# KiCad board middle.kicad_pcb (continued)
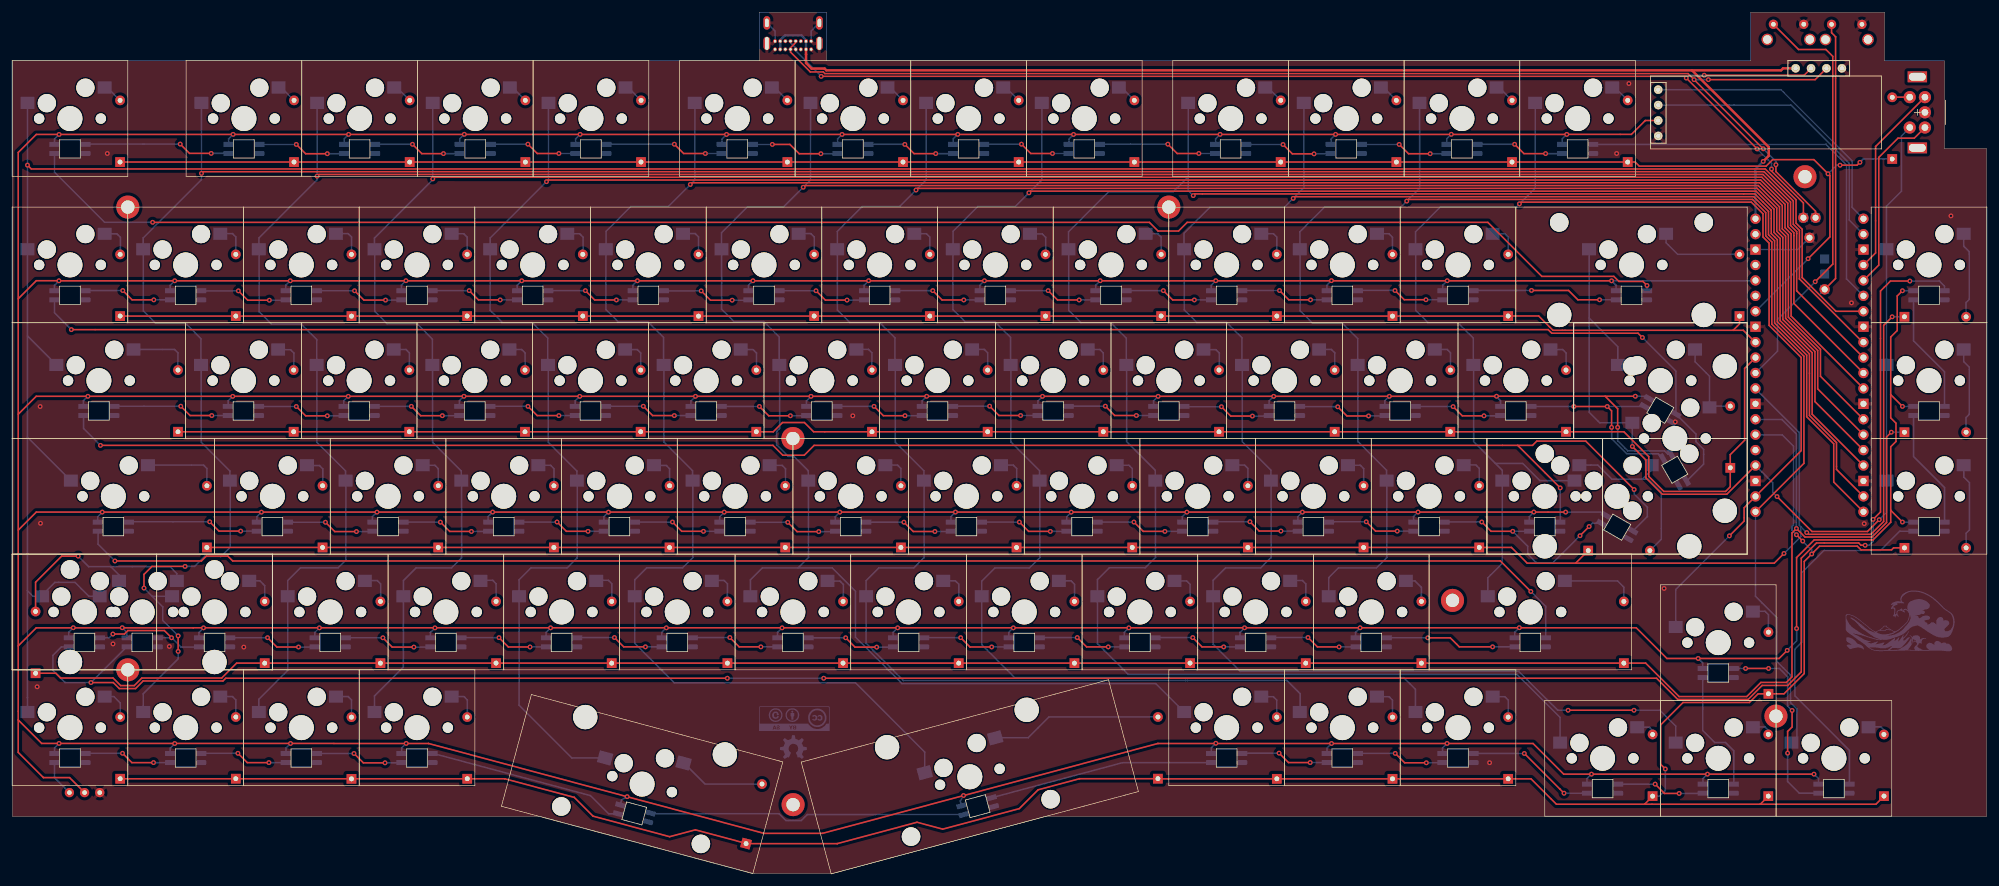
[diagram p0: board, top side]
## Nets (continued)
/KD12_out: DD12.2 KD12.2 KDb12.2
/KE0_out: DE0.2 KE0.2 KEb0.2
/SW99B: DA13.2 SWA13.S1
BOOTSEL: RSW1.1 U0.TP6
col00: KA0.1 KB0.1 KC0.1 KD0.1 KE0.1 KEb0.1 KF0.1 U0.7
col01: KA1.1 KB1.1 KC1.1 KD1.1 KE1.1 KF1.1 U0.9
col02: KA2.1 KB2.1 KC2.1 KD2.1 KE2.1 KF2.1 U0.10
col03: KA3.1 KB3.1 KC3.1 KD3.1 KE3.1 KF3.1 U0.11
col04: KA4.1 KB4.1 KC4.1 KD4.1 KE4.1 KF4.1 U0.12
col05: KA5.1 KB5.1 KC5.1 KD5.1 KE5.1 KF5.1 U0.14
col06: KA6.1 KB6.1 KC6.1 KD6.1 KE6.1 KF6.1 U0.15
col07: KA7.1 KB7.1 KC7.1 KD7.1 KE7.1 KF7.1 U0.16
col08: KA8.1 KB8.1 KC8.1 KD8.1 KE8.1 KF8.1 U0.17
col09: KA9.1 KB9.1 KC9.1 KD9.1 KE9.1 KF9.1 U0.19
col10: KA10.1 KB10.1 KC10.1 KD10.1 KE10.1 KF10.1 U0.20
col11: KA11.1 KB11.1 KC11.1 KD11.1 KE11.1 KF11.1 U0.21
col12: KA12.1 KB12.1 KC12.1 KD12.1 KDb12.1 KE12.1 KF12.1 U0.22
col13: KB13.1 KC13.1 KCb13.1 KD13.1 KE13.1 KF13.1 SWA13.S2 U0.24
D+: JUSB2.2 U0.TP3 USB.A6 USB.B6
D-: JUSB2.3 U0.TP2 USB.A7 USB.B7
ENCA: SWA13.A U0.5
ENCB: SWA13.B U0.4
RESET: RSW0.1 U0.30
RGB_Matrix: KA12.6 U0.6
RGB_Out: J4.1 KF0.4
row00: DA0.1 DA1.1 DA2.1 DA3.1 DA4.1 DA5.1 DA6.1 DA7.1 DA8.1 DA9.1 DA10.1 DA11.1 DA12.1 DA13.1 U0.34
row01: DB0.1 DB1.1 DB2.1 DB3.1 DB4.1 DB5.1 DB6.1 DB7.1 DB8.1 DB9.1 DB10.1 DB11.1 DB12.1 DB13.1 U0.32
row02: DC0.1 DC1.1 DC2.1 DC3.1 DC4.1 DC5.1 DC6.1 DC7.1 DC8.1 DC9.1 DC10.1 DC11.1 DC12.1 DC13.1 U0.31
row03: DD0.1 DD1.1 DD2.1 DD3.1 DD4.1 DD5.1 DD6.1 DD7.1 DD8.1 DD9.1 DD10.1 DD11.1 DD12.1 DD13.1 U0.29
row04: DE0.1 DE1.1 DE2.1 DE3.1 DE4.1 DE5.1 DE6.1 DE7.1 DE8.1 DE9.1 DE10.1 DE11.1 DE12.1 DE13.1 U0.27
row05: DF0.1 DF1.1 DF2.1 DF3.1 DF4.1 DF5.1 DF6.1 DF7.1 DF8.1 DF9.1 DF10.1 DF11.1 DF12.1 DF13.1 U0.26
SCL: J1.3 U0.2
SDA: J1.4 U0.1
Net-(DA0-A): DA0.2 KA0.2
Net-(DA1-A): DA1.2 KA1.2
Net-(DA2-A): DA2.2 KA2.2
Net-(DA3-A): DA3.2 KA3.2
Net-(DA4-A): DA4.2 KA4.2
Net-(DA5-A): DA5.2 KA5.2
Net-(DA6-A): DA6.2 KA6.2
Net-(DA7-A): DA7.2 KA7.2
Net-(DA8-A): DA8.2 KA8.2
Net-(DA9-A): DA9.2 KA9.2
Net-(DA10-A): DA10.2 KA10.2
Net-(DA11-A): DA11.2 KA11.2
Net-(DA12-A): DA12.2 KA12.2
Net-(DB0-A): DB0.2 KB0.2
Net-(DB1-A): DB1.2 KB1.2
Net-(DB2-A): DB2.2 KB2.2
Net-(DB3-A): DB3.2 KB3.2
Net-(DB4-A): DB4.2 KB4.2
Net-(DB5-A): DB5.2 KB5.2
Net-(DB6-A): DB6.2 KB6.2
Net-(DB7-A): DB7.2 KB7.2
Net-(DB8-A): DB8.2 KB8.2
Net-(DB9-A): DB9.2 KB9.2
Net-(DB10-A): DB10.2 KB10.2
Net-(DB11-A): DB11.2 KB11.2
Net-(DB12-A): DB12.2 KB12.2
Net-(DB13-A): DB13.2 KB13.2
Net-(DC0-A): DC0.2 KC0.2
Net-(DC1-A): DC1.2 KC1.2
Net-(DC2-A): DC2.2 KC2.2
Net-(DC3-A): DC3.2 KC3.2
Net-(DC4-A): DC4.2 KC4.2
Net-(DC5-A): DC5.2 KC5.2
Net-(DC6-A): DC6.2 KC6.2
Net-(DC7-A): DC7.2 KC7.2
Net-(DC8-A): DC8.2 KC8.2
Net-(DC9-A): DC9.2 KC9.2
Net-(DC10-A): DC10.2 KC10.2
Net-(DC11-A): DC11.2 KC11.2
Net-(DC12-A): DC12.2 KC12.2
Net-(DD0-A): DD0.2 KD0.2
Net-(DD1-A): DD1.2 KD1.2
Net-(DD2-A): DD2.2 KD2.2
Net-(DD3-A): DD3.2 KD3.2
Net-(DD4-A): DD4.2 KD4.2
Net-(DD5-A): DD5.2 KD5.2
Net-(DD6-A): DD6.2 KD6.2
Net-(DD7-A): DD7.2 KD7.2
Net-(DD8-A): DD8.2 KD8.2
Net-(DD9-A): DD9.2 KD9.2
Net-(DD10-A): DD10.2 KD10.2
Net-(DD11-A): DD11.2 KD11.2
Net-(DD13-A): DD13.2 KD13.2
Net-(DE1-A): DE1.2 KE1.2
Net-(DE2-A): DE2.2 KE2.2
Net-(DE3-A): DE3.2 KE3.2
Net-(DE4-A): DE4.2 KE4.2
Net-(DE5-A): DE5.2 KE5.2
Net-(DE6-A): DE6.2 KE6.2
Net-(DE7-A): DE7.2 KE7.2
Net-(DE8-A): DE8.2 KE8.2
Net-(DE9-A): DE9.2 KE9.2
Net-(DE10-A): DE10.2 KE10.2
Net-(DE11-A): DE11.2 KE11.2
Net-(DE12-A): DE12.2 KE12.2
Net-(DE13-A): DE13.2 KE13.2
Net-(DF0-A): DF0.2 KF0.2
Net-(DF1-A): DF1.2 KF1.2
Net-(DF2-A): DF2.2 KF2.2
Net-(DF3-A): DF3.2 KF3.2
Net-(DF4-A): DF4.2 KF4.2
Net-(DF5-A): DF5.2 KF5.2
Net-(DF6-A): DF6.2 KF6.2
Net-(DF7-A): DF7.2 KF7.2
Net-(DF8-A): DF8.2 KF8.2
Net-(DF9-A): DF9.2 KF9.2
Net-(DF10-A): DF10.2 KF10.2
Net-(DF11-A): DF11.2 KF11.2
Net-(DF12-A): DF12.2 KF12.2
Net-(DF13-A): DF13.2 KF13.2

Pads without a net: MountTopMiddle1 1; MountTopMiddle2 1; MountTopMiddle3 1; MountTopMiddle4 1; MountTopMiddle5 1; MountTopMiddle6 1; MountTopMiddle7 1; MountTopMiddle8 1; RSW0 3; RSW1 3; SWA13 MP; U0 25 35 37 39 TP4 TP5; USB A5 A8 B5 B8

## Via types
v1: diameter 0.8, hole 0.4, Top to Bottom, 312 vias

## Routing (per net, layer and track width the routed paths; a pad name or vN(x,y) marks a point on that pad's centre or on a via; arc(x,y) is an arc through that point)
+5V: length 204.4
  Top w0.4: JUSB2.4 291.66,132.65 291.33,132.32 276.66,132.32 ; USB.A9 130.75,134.95 130.75,134.95 130.75,133.52 131.66,132.61 133.81,132.61 134.1,132.32 276.66,132.32 ; 276.66,132.32 289.31,119.68 289.31,118.24 v1(288.39,117.32)
  Bottom w0.4: 130.75,135.77 130.75,137.29 ; v1(288.39,117.32) 287.12,116.05 U0.40 ; USB.A4 126.5,137.29 127.27,138.07 129.99,138.07 130.75,137.31
GND: length 16.8
  Bottom w0.254: USB.B1 131.59,138.79 132.94,140.13 ; 124.3,140.13 125.65,138.79 USB.B12 ; U0.38 294.06,102.8 U0.TP1
  vias: v1(4.12,30.81) v1(4.61,76.95) v1(4.67,57.73) v1(15.67,118.62) v1(16.61,37.87) v1(25.89,37.45) v1(38.15,37.34) v1(138.45,75.43) v1(243.33,18.3) v1(264.25,118.62) v1(266.27,130.14) v1(272.07,47) v1(273.91,74.43) v1(302.93,94.03) v1(305.03,57.67) v1(319.31,108.35)
VCC: length 2061.8
  Top w0.254: 0.99,75.67 3.96,78.64 12.48,78.64 v1(12.48,78.64) 244.46,78.64 ; v1(264.42,73.53) 264.42,76.59 262.36,78.65 ; v1(263.42,97.65) 263.41,97.66 v1(7.71,97.66) ; v1(311.32,76.98) 309.39,78.91 ; 309.39,78.91 309.39,75.08 310.26,74.21 310.26,71.2 309.39,70.33 309.39,59.85 ; 309.39,78.91 309.39,88.4 310.46,89.47 310.46,95.16 v1(311.32,96.02) ; 7.73,97.67 3.98,97.67 1.01,94.7 ; v1(293.89,40.4) 293.89,52.09 296.79,54.99 306.48,54.99 306.48,54.99 309.39,57.9 309.39,59.85 ; 262.36,78.65 v1(267.33,78.65) ; 262.36,78.65 v1(244.47,78.65) ; 52.99,21.47 68.57,21.47 68.57,21.47 123.8,6.67 133.46,6.67 188.69,21.47 ; 1.01,56.6 3.98,59.57 14.84,59.57 v1(14.84,59.57) v1(255.85,59.57) ; 1.01,37.54 3.98,40.51 29.83,40.51 29.83,40.52 267.48,40.52 272.53,35.47 v1(277.68,35.47) 291.01,35.47 v1(292.34,36.8) ; J4.2 9.46,15.85 5.15,15.85 1,20 1,25.34 ; 309.39,59.85 309.4,59.85 v1(311.32,57.93) ; 1,25.34 1,118.79 3.97,121.76 v1(7.73,121.76) 256.03,121.76 v1(256.04,121.77) 266.68,121.77 268.97,124.06 271.1,124.06 ; 1,25.34 4.86,21.48 53,21.48 ; 296.74,16.42 v1(260.11,16.42) 255.53,16.42 250.48,21.47 188.72,21.47 188.72,21.47
  Bottom w0.254: v1(60.09,59.56) 59.34,58.82 59.34,57.92 ; 73.72,120.14 73.72,121.04 v1(74.47,121.78) ; v1(14.84,59.57) 14.09,58.82 14.09,57.92 ; v1(198.24,21.5) 197.5,20.76 197.5,19.86 ; 245.14,76.99 245.14,77.89 244.39,78.63 ; 255.29,120.12 255.29,121.02 v1(256.04,121.77) ; v1(164.89,40.51) 164.14,39.76 164.14,38.86 ; 102.23,96.02 102.23,96.92 v1(102.98,97.66) ; v1(83.93,97.66) 83.18,96.92 83.18,96.02 ; v1(50.6,40.51) 49.85,39.76 49.85,38.86 ; v1(217.97,121.77) 217.22,121.03 217.22,120.13 ; 235.58,19.83 235.58,20.73 v1(236.32,21.47) ; 259.36,14.77 259.36,15.67 v1(260.11,16.42) ; 45.1,19.82 45.1,20.72 v1(45.85,21.47) ; 18.12,40.52 18.87,39.77 18.87,38.87 ; 126.05,38.87 126.05,39.76 v1(126.8,40.51) ; v1(74.41,78.64) 73.66,77.9 73.66,77 ; 6.98,19.83 6.98,20.73 v1(7.73,21.48) ; v1(277.68,35.47) 278.43,34.72 278.43,33.82 ; 35.64,120.13 35.64,121.03 v1(36.39,121.77) ; 156.39,11.12 156.16,11.98 v1(156.69,12.9) ; v1(250.61,59.58) 249.86,58.83 249.86,57.93 ; KF13.3 311.32,57.92 v1(311.32,57.93) ; 130.82,76.99 130.82,77.89 v1(131.57,78.63) ; v1(117.66,121.76) 116.91,121.02 116.91,120.12 ; 78.39,57.93 78.39,58.83 v1(79.14,59.57) ; v1(155.74,121.77) 154.99,121.03 154.99,120.13 ; v1(101.29,12.71) 100.37,12.18 100.14,11.31 ; 197.48,96.03 197.48,96.93 v1(198.23,97.67) ; 178.45,96.03 178.45,96.93 v1(179.2,97.67) ; v1(69.63,40.51) 68.88,39.76 68.88,38.86 ; 135.56,57.92 135.56,58.82 v1(136.31,59.56) ; 297.5,14.77 297.5,15.67 v1(296.75,16.42) ; v1(117.28,59.56) 116.53,58.82 116.53,57.92 ; 183.17,38.86 183.17,39.76 v1(183.92,40.51) ; 140.31,96.03 140.31,96.93 v1(141.06,97.67) ; v1(188.74,78.63) 187.99,77.89 187.99,76.99 ; v1(88.68,40.51) 87.93,39.76 87.93,38.87 ; 40.31,57.92 40.31,58.82 v1(41.06,59.56) ; 221.25,38.87 221.25,39.77 v1(222,40.52) ; v1(36.33,78.63) 35.58,77.89 35.58,76.99 ; v1(248.22,40.53) 247.48,39.79 247.48,38.89 ; v1(31.52,40.51) 30.77,39.76 30.77,38.86 ; v1(112.54,78.63) 111.79,77.89 111.79,76.99 ; 106.99,38.87 106.99,39.76 v1(107.74,40.51) ; 287.12,97.65 v1(263.42,97.65) 264.16,96.91 264.16,96.01 ; v1(98.21,59.56) 97.46,58.82 97.46,57.92 ; 54.67,120.13 54.67,121.03 v1(55.42,121.77) ; 92.79,120.13 92.79,121.03 v1(93.54,121.77) ; v1(136.69,121.76) 135.94,121.02 135.94,120.12 ; 211.75,57.92 211.75,58.82 v1(212.5,59.56) ; v1(293.89,40.4) 293.89,38.35 v1(292.34,36.8) ; v1(267.33,78.65) 269.06,78.65 269.51,78.2 ; v1(226.82,78.64) 226.07,77.9 226.07,77 ; 64.11,96.03 64.11,96.93 v1(64.86,97.67) ; KE13.3 311.27,76.97 ; 207.02,76.99 207.02,77.89 v1(207.77,78.63) ; v1(7.73,121.76) 6.98,121.01 6.98,120.11 ; v1(174.43,59.56) 173.68,58.82 173.68,57.92 ; 154.61,57.93 154.61,58.83 v1(155.36,59.57) ; 235.6,96.03 235.6,96.93 v1(236.35,97.67) ; v1(217.3,21.47) 216.55,20.72 216.55,19.82 ; v1(217.28,97.68) 216.53,96.94 216.53,96.04 ; 149.87,77 149.87,77.9 v1(150.62,78.64) ; 278.46,14.77 278.46,15.67 v1(279.21,16.42) ; 198.19,120.13 198.19,121.03 v1(198.94,121.77) ; 9.32,38.88 9.32,39.78 v1(10.07,40.53) ; 174.06,120.12 174.06,121.02 v1(174.81,121.76) ; v1(55.36,78.63) 54.61,77.89 54.61,76.99 ; 121.26,96.02 121.26,96.92 v1(122.01,97.66) ; 26.03,96.02 26.03,96.92 v1(26.78,97.66) ; 313.15,96.02 311.19,96.02 ; v1(237.02,121.78) 236.27,121.04 236.27,120.14 ; 202.22,38.87 202.22,39.77 v1(202.97,40.52) ; v1(231.55,59.57) 230.8,58.83 230.8,57.93 ; 6.96,96.01 6.96,96.91 v1(7.71,97.66) ; 92.73,76.99 92.73,77.89 v1(93.48,78.63) ; v1(264.42,73.53) 264.42,71.3 266.07,69.65 267.3,69.65 267.3,69.65 272.14,69.65 272.66,69.13 DCa13.1 ; v1(45.81,97.66) 45.06,96.92 45.06,96.02 ; v1(193.47,59.56) 192.72,58.82 192.72,57.92 ; v1(64.9,21.48) 64.15,20.73 64.15,19.83 ; v1(145.84,40.51) 145.09,39.76 145.09,38.87 ; v1(255.85,59.57) 261.62,59.57 261.97,59.22 ; 168.94,76.99 168.94,77.89 v1(169.69,78.63) ; 159.38,96.02 159.38,96.92 v1(160.13,97.66) ; v1(12.48,78.64) 11.73,77.89 11.73,76.99 ; 26.03,19.81 26.03,20.71 v1(26.78,21.46)
  vias: v1(18.13,40.53)
/IN_A0: length 24.3
  Top w0.254: v1(27.68,120.17) 29.22,118.64 v1(32.78,118.64)
  Bottom w0.254: v1(32.78,118.64) 35.5,118.64 ; 21.57,120.17 v1(27.68,120.17) ; 21.75,120.17 12,120.17
/IN_A1: length 14.6
  Top w0.254: v1(46.8,120.12) 48.33,118.58 v1(51.91,118.58)
  Bottom w0.254: 40.69,120.12 v1(46.8,120.12) ; v1(51.91,118.58) 54.62,118.58
/IN_A2: length 14.6
  Top w0.254: v1(65.93,120.14) 67.47,118.6 v1(71.03,118.6)
  Bottom w0.254: 59.82,120.14 v1(65.93,120.14) ; v1(71.03,118.6) 73.75,118.6
/IN_A3: length 14.6
  Top w0.254: v1(84.94,120.16) 86.47,118.62 v1(90.04,118.62)
  Bottom w0.254: v1(90.04,118.62) 92.76,118.62 ; 78.83,120.16 v1(84.94,120.16)
/IN_A4: length 19.6
  Top w0.254: v1(109.06,120.15) 110.59,118.62 v1(114.16,118.62)
  Bottom w0.254: v1(109.06,120.15) 97.88,120.15 ; v1(114.16,118.62) 116.88,118.62
/IN_A5: length 14.6
  Top w0.254: v1(125.2,120.12) 128.09,120.12 129.62,118.58 v1(133.19,118.58)
  Bottom w0.254: 121.98,120.12 v1(125.2,120.12) ; v1(133.19,118.58) 135.91,118.58
/IN_A6: length 14.6
  Top w0.254: v1(147.02,120.12) 148.54,118.6 v1(152.11,118.6)
  Bottom w0.254: v1(147.02,120.12) 147,120.14 140.9,120.14 ; v1(152.11,118.6) 154.83,118.6
/IN_A7: length 14.6
  Top w0.254: v1(171.34,118.62) 167.76,118.62 v1(166.23,120.16)
  Bottom w0.254: 160.12,120.16 v1(166.23,120.16) ; v1(171.34,118.62) 174.06,118.62
/IN_A8: length 19.6
  Top w0.254: v1(190.34,120.16) 191.87,118.62 v1(195.44,118.62)
  Bottom w0.254: v1(190.34,120.16) 179.15,120.16 ; v1(195.44,118.62) 198.16,118.62
/IN_A9: length 14.6
  Top w0.254: v1(209.31,120.1) 210.85,118.56 v1(214.42,118.56)
  Bottom w0.254: v1(214.42,118.56) 217.13,118.56 ; 203.2,120.1 v1(209.31,120.1)
/IN_A10: length 14.6
  Top w0.254: v1(228.44,120.12) 229.98,118.58 v1(233.55,118.58)
  Bottom w0.254: v1(233.55,118.58) 236.26,118.58 ; 222.33,120.12 v1(228.44,120.12)
/IN_A11: length 14.6
  Top w0.254: v1(252.56,118.6) 248.99,118.6 v1(247.45,120.14)
  Bottom w0.254: 241.34,120.14 v1(247.45,120.14) ; v1(252.56,118.6) 255.27,118.6
/IN_B0: length 14.6
  Top w0.254: v1(23.33,94.52) 19.76,94.52 v1(18.22,96.06)
  Bottom w0.254: 12.12,96.06 v1(18.22,96.06) ; v1(23.33,94.52) 26.05,94.52
/IN_B1: length 14.6
  Top w0.254: v1(42.36,94.46) 38.8,94.46 v1(37.26,96)
  Bottom w0.254: v1(42.36,94.46) 45.08,94.46 ; 31.15,96 v1(37.26,96)
/IN_B2: length 14.6
  Top w0.254: v1(56.39,96.02) 57.92,94.48 v1(61.5,94.48)
  Bottom w0.254: v1(61.5,94.48) 64.22,94.48 ; 50.28,96.02 v1(56.39,96.02)
/IN_B3: length 14.6
  Top w0.254: v1(75.28,96.04) 76.81,94.51 v1(80.38,94.51)
  Bottom w0.254: v1(80.38,94.51) 83.1,94.51 ; 69.17,96.04 v1(75.28,96.04)
/IN_B4: length 14.6
  Top w0.254: v1(94.41,96.04) 95.94,94.5 v1(99.51,94.5)
  Bottom w0.254: v1(99.51,94.5) 102.24,94.5 ; 88.3,96.04 v1(94.41,96.04)
/IN_B5: length 14.6
  Top w0.254: v1(118.59,94.46) 115.01,94.46 v1(113.48,96)
  Bottom w0.254: v1(118.59,94.46) 121.31,94.46 ; 107.37,96 v1(113.48,96)
/IN_B6: length 14.6
  Top w0.254: v1(137.5,94.48) 133.93,94.48 v1(132.4,96.02)
  Bottom w0.254: v1(137.5,94.48) 140.22,94.48 ; 126.29,96.02 v1(132.4,96.02)
/IN_B7: length 14.6
  Top w0.254: v1(151.62,96.04) 153.16,94.5 v1(156.72,94.5)
  Bottom w0.254: v1(156.72,94.5) 159.44,94.5 ; 145.51,96.04 v1(151.62,96.04)
/IN_B8: length 14.6
  Top w0.254: v1(175.74,94.5) 172.16,94.5 v1(170.63,96.04)
  Bottom w0.254: 164.52,96.04 v1(170.63,96.04) ; v1(175.74,94.5) 178.46,94.5
/IN_B9: length 14.6
  Top w0.254: v1(189.6,96.04) 191.13,94.5 v1(194.71,94.5)
  Bottom w0.254: v1(194.71,94.5) 197.43,94.5 ; 183.49,96.04 v1(189.6,96.04)
/IN_B10: length 14.6
  Top w0.254: v1(213.83,94.52) 210.26,94.52 v1(208.73,96.06)
  Bottom w0.254: v1(213.83,94.52) 216.56,94.52 ; 202.62,96.06 v1(208.73,96.06)
/IN_B11: length 14.6
  Top w0.254: 227.74,96.08 229.27,94.54 v1(232.85,94.54)
  Bottom w0.254: v1(232.85,94.54) 235.56,94.54 ; 221.63,96.08 227.74,96.08
  vias: v1(227.75,96.06)
/IN_B12: length 24.1
  Top w0.254: v1(261.44,94.53) 257.87,94.53 256.33,96.07 250.23,96.07
  Bottom w0.254: 250.23,96.07 240.71,96.07 ; v1(261.44,94.53) 264.16,94.53
  vias: v1(250.23,96.08)
/IN_B13: length 275.1
  Top w0.254: 23.15,107.28 187.3,107.28 188.73,105.85 192.09,105.85 193.52,107.28 243.04,107.28 251.93,98.39 263.79,98.39 264.62,97.56 268.58,97.56 v1(269.25,96.89)
  Bottom w0.254: v1(23.14,107.29) 15.24,107.29 6.98,115.55 KA0.4 ; 269.25,96.02 v1(269.25,96.89)
/IN_C0: length 19.4
  Top w0.254: v1(27.77,77.01) 29.31,75.47 v1(32.88,75.47)
  Bottom w0.254: 16.84,77.01 v1(27.77,77.01) ; v1(32.88,75.47) 35.6,75.47
/IN_C1: length 14.6
  Top w0.254: v1(51.91,75.42) 48.33,75.42 v1(46.8,76.96)
  Bottom w0.254: v1(51.91,75.42) 54.62,75.42 ; 40.69,76.96 v1(46.8,76.96)
/IN_C2: length 14.6
  Top w0.254: v1(70.85,75.45) 67.28,75.45 v1(65.75,76.98)
  Bottom w0.254: v1(70.85,75.45) 73.57,75.45 ; 59.64,76.98 v1(65.75,76.98)
/IN_C3: length 14.6
  Top w0.254: v1(84.96,76.98) 86.47,75.46 v1(90.04,75.46)
  Bottom w0.254: v1(84.96,76.98) 84.94,77 78.83,77 ; v1(90.04,75.46) 92.76,75.46
/IN_C4: length 14.6
  Top w0.254: v1(103.95,77) 105.49,75.46 v1(109.06,75.46)
  Bottom w0.254: 97.84,77 v1(103.95,77) ; v1(109.06,75.46) 111.78,75.46
/IN_C5: length 14.6
  Top w0.254: v1(123.07,76.97) 124.6,75.43 v1(128.18,75.43)
  Bottom w0.254: v1(128.18,75.43) 130.9,75.43 ; 116.96,76.97 v1(123.07,76.97)
/IN_C6: length 14.6
  Top w0.254: v1(147.05,75.45) 143.48,75.45 v1(141.94,76.98)
  Bottom w0.254: v1(147.05,75.45) 149.77,75.45 ; 135.84,76.98 v1(141.94,76.98)
/IN_C7: length 14.6
  Top w0.254: v1(166.09,75.48) 162.52,75.48 v1(160.99,77.01)
  Bottom w0.254: v1(166.09,75.48) 168.81,75.48 ; 154.88,77.01 v1(160.99,77.01)
/IN_C8: length 14.6
  Top w0.254: v1(185.15,75.48) 181.58,75.48 v1(180.04,77.01)
  Bottom w0.254: 173.94,77.01 v1(180.04,77.01) ; v1(185.15,75.48) 187.87,75.48
/IN_C9: length 14.6
  Top w0.254: v1(199.16,76.92) 200.69,75.38 v1(204.26,75.38)
  Bottom w0.254: 193.05,76.92 v1(199.16,76.92) ; v1(204.26,75.38) 206.99,75.38
/IN_C10: length 14.6
  Top w0.254: v1(223.39,75.4) 219.82,75.4 v1(218.32,76.91)
  Bottom w0.254: v1(218.32,76.91) 218.29,76.94 212.18,76.94 ; v1(223.39,75.4) 226.12,75.4
/IN_C11: length 14.6
  Top w0.254: v1(242.4,75.42) 238.83,75.42 237.3,76.96
  Bottom w0.254: v1(242.4,75.42) 245.12,75.42 ; 231.19,76.96 237.3,76.96
  vias: v1(237.32,76.94)
/IN_C12: length 34.1
  Top w0.254: v1(263.42,73.53) 263.42,76.24 v1(262.7,76.96) v1(257.21,76.96)
  Bottom w0.254: 250.2,76.96 v1(257.21,76.96) ; v1(262.7,76.96) 268.89,76.96 ; v1(263.42,73.53) 263.42,71.66 265.91,69.17 271.11,69.17 DCa13.2
/IN_C13: length 294.3
  Top w0.254: v1(268.49,88.31) 267.77,89.03 253.56,89.03 252.97,89.62 v1(9.75,89.62)
  Bottom w0.254: v1(9.75,89.62) 6.98,92.39 6.98,94.52 ; 275.75,64.65 278.58,67.48 278.58,69.9 277.32,71.16 277.32,72.42 DCb13.4 274.03,82.77 v1(268.49,88.31)
/IN_D0: length 21.7
  Top w0.254: v1(37.64,56.44) 34.07,56.44 v1(32.53,57.98)
  Bottom w0.254: v1(37.64,56.44) 40.36,56.44 ; v1(32.53,57.98) 19.26,57.98
/IN_D1: length 14.6
  Top w0.254: v1(51.6,57.9) 53.14,56.36 v1(56.7,56.36)
  Bottom w0.254: v1(56.7,56.36) 59.42,56.36 ; 45.49,57.9 v1(51.6,57.9)
/IN_D2: length 14.6
  Top w0.254: v1(75.64,56.38) 72.07,56.38 v1(70.53,57.92)
  Bottom w0.254: v1(75.64,56.38) 78.36,56.38 ; 64.43,57.92 v1(70.53,57.92)
/IN_D3: length 14.6
  Top w0.254: v1(94.84,56.4) 91.28,56.4 v1(89.74,57.94)
  Bottom w0.254: 83.63,57.94 v1(89.74,57.94) ; v1(94.84,56.4) 97.56,56.4
/IN_D4: length 14.6
  Top w0.254: v1(113.85,56.4) 110.28,56.4 v1(108.75,57.94)
  Bottom w0.254: 102.64,57.94 v1(108.75,57.94) ; v1(113.85,56.4) 116.57,56.4
/IN_D5: length 14.6
  Top w0.254: v1(127.74,57.89) 129.28,56.35 v1(132.84,56.35)
  Bottom w0.254: v1(132.84,56.35) 135.56,56.35 ; 121.63,57.89 v1(127.74,57.89)
/IN_D6: length 14.6
  Top w0.254: v1(146.87,57.91) 148.41,56.37 v1(151.97,56.37)
  Bottom w0.254: v1(151.97,56.37) 154.69,56.37 ; 140.76,57.91 v1(146.87,57.91)
/IN_D7: length 14.6
  Top w0.254: v1(170.99,56.39) 167.41,56.39 v1(165.88,57.93)
  Bottom w0.254: v1(170.99,56.39) 173.71,56.39 ; 159.77,57.93 v1(165.88,57.93)
/IN_D8: length 14.6
  Top w0.254: v1(184.75,57.93) 186.28,56.39 v1(189.85,56.39)
  Bottom w0.254: v1(189.85,56.39) 192.57,56.39 ; 178.64,57.93 v1(184.75,57.93)
/IN_D9: length 14.6
  Top w0.254: v1(208.96,56.45) 205.39,56.45 v1(203.85,57.98)
  Bottom w0.254: 197.75,57.98 v1(203.85,57.98) ; v1(208.96,56.45) 211.68,56.45
/IN_D10: length 14.6
  Top w0.254: v1(223.01,57.97) 224.55,56.44 v1(228.12,56.44)
  Bottom w0.254: v1(228.12,56.44) 230.84,56.44 ; 216.91,57.97 v1(223.01,57.97)
/IN_D11: length 34.8
  Top w0.254: v1(247.14,56.41) 243.57,56.41 v1(242.04,57.94) ; v1(258.22,55.68) 258.22,55.69 v1(259.72,57.19)
  Bottom w0.254: 235.93,57.94 v1(242.04,57.94) ; 249.86,56.41 v1(247.14,56.41) 249.6,53.95 249.6,52.66 251.05,51.21 253.74,51.21 258.21,55.68 v1(258.22,55.68) ; v1(259.72,57.19) 260.27,57.74 261.75,57.74
/IN_D12: length 287.8
  Top w0.254: 247.96,70.56 132.08,70.56 130.46,68.94 126.92,68.94 125.3,70.56 v1(14.55,70.56) ; 247.96,70.56 250.4,70.56 251.1,71.26 259.16,71.26 v1(267.13,63.29) ; 247.96,70.56 v1(254.96,63.56)
  Bottom w0.254: v1(14.55,70.56) 11.77,73.33 11.77,75.46 ; KD12.6 254.96,63.08 254.96,63.08 v1(254.96,63.56) ; v1(267.13,63.29) 267.13,62.55 269.31,60.37 269.31,58.84 DDb12.4
/IN_D13: length 393.3
  Top w0.254: v1(12.98,31.5) 16.66,31.5 17.65,30.51 20.32,30.51 21.57,31.76 34.72,31.76 35.17,32.21 v1(117.79,32.21) ; v1(305.18,54.11) 304.49,54.11 304.11,54.49 297.17,54.49 294.66,51.98 294.66,33.26 292.43,31.03 288.22,31.03 285.91,28.72 274.32,28.72 270.83,32.21 v1(133.66,32.21) ; v1(312.54,97.62) 309.35,97.62 307.71,95.98 307.71,59.59 v1(306.49,58.37)
  Bottom w0.254: v1(312.54,97.62) 317.41,97.62 318.25,96.78 318.25,96.02 ; v1(305.18,54.11) 305.86,54.11 306.49,54.74 v1(306.49,58.37) ; v1(117.79,32.21) v1(133.66,32.21) ; KE0.4 8.1,37.37 6.71,35.98 6.71,33.52 8.73,31.5 v1(12.98,31.5) 18.88,37.4
/IN_E0: length 20.1
  Top w0.254: v1(26.25,38.88) 25.07,40.06 19.06,40.06 18.49,39.49 v1(16.59,39.49)
  Bottom w0.254: 30.72,37.35 27.78,37.35 v1(26.25,38.88) DEb0.4 ; v1(16.59,39.49) 15.97,38.87 KE0.6
/IN_E1: length 14.6
  Top w0.254: v1(47.17,37.35) 43.6,37.35 v1(42.06,38.89)
  Bottom w0.254: v1(47.17,37.35) 49.89,37.35 ; 35.95,38.89 v1(42.06,38.89)
/IN_E2: length 14.6
  Top w0.254: v1(61.06,38.87) 62.59,37.34 v1(66.16,37.34)
  Bottom w0.254: 54.95,38.87 v1(61.06,38.87) ; v1(66.16,37.34) 68.88,37.34
/IN_E3: length 14.6
  Top w0.254: v1(85.29,37.36) 81.72,37.36 v1(80.19,38.89)
  Bottom w0.254: v1(85.29,37.36) 88.01,37.36 ; 74.08,38.89 v1(80.19,38.89)
/IN_E4: length 14.6
  Top w0.254: v1(104.3,37.38) 100.73,37.38 v1(99.19,38.91)
  Bottom w0.254: 93.09,38.91 v1(99.19,38.91) ; v1(104.3,37.38) 107.02,37.38
/IN_E5: length 14.6
  Top w0.254: v1(123.31,37.38) 119.74,37.38 v1(118.21,38.91)
  Bottom w0.254: 112.1,38.91 v1(118.21,38.91) ; v1(123.31,37.38) 126.03,37.38
/IN_E6: length 14.6
  Top w0.254: v1(142.38,37.33) 138.81,37.33 v1(137.28,38.87)
  Bottom w0.254: 131.17,38.87 v1(137.28,38.87) ; v1(142.38,37.33) 145.1,37.33
/IN_E7: length 14.6
  Top w0.254: v1(161.32,37.36) 157.75,37.36 v1(156.22,38.89)
  Bottom w0.254: v1(161.32,37.36) 164.04,37.36 ; 150.11,38.89 v1(156.22,38.89)
/IN_E8: length 14.6
  Top w0.254: v1(175.42,38.91) 176.96,37.37 v1(180.53,37.37)
  Bottom w0.254: 169.31,38.91 v1(175.42,38.91) ; v1(180.53,37.37) 183.25,37.37
/IN_E9: length 14.6
  Top w0.254: v1(194.44,38.9) 195.97,37.37 v1(199.53,37.37)
  Bottom w0.254: v1(194.44,38.9) 194.43,38.91 188.32,38.91 ; v1(199.53,37.37) 202.25,37.37
/IN_E10: length 14.6
  Top w0.254: 213.45,38.89 214.98,37.37 v1(218.55,37.37)
  Bottom w0.254: v1(218.55,37.37) 221.26,37.37 ; 207.31,38.92 v1(213.42,38.92)
/IN_E11: length 21.7
  Top w0.254: v1(243.82,37.38) 238.34,37.38 236.85,38.87 v1(233.15,38.87)
  Bottom w0.254: v1(233.15,38.87) 233.14,38.87 KE11.6 ; v1(243.82,37.38) 247.49,37.38
/IN_E12: length 250.7
  Top w0.254: v1(16.92,51.52) 31.17,51.52 31.98,52.33 35.52,52.33 36.33,51.52 245.11,51.52 245.11,51.51 v1(250.12,46.5)
  Bottom w0.254: 14.15,56.42 14.15,54.29 v1(16.92,51.52) ; v1(250.12,46.5) 252.58,44.04 KE12.6
/IN_E13: length 19.7
  Bottom w0.254: KE13.6 318.25,82.67 313.15,87.77 313.15,94.53
/IN_F0: length 14.7
  Top w0.254: v1(18.18,19.85) 19.72,18.32 v1(23.28,18.32)
  Bottom w0.254: 12.07,19.85 v1(18.18,19.85) ; v1(23.28,18.32) 26.09,18.32
/IN_F1: length 14.6
  Top w0.254: v1(42.29,18.32) 38.72,18.32 v1(37.19,19.85)
  Bottom w0.254: v1(42.29,18.32) 45.09,18.32 ; 31.08,19.85 v1(37.19,19.85)
/IN_F2: length 14.6
  Top w0.254: v1(61.41,18.28) 57.84,18.28 v1(56.3,19.82)
  Bottom w0.254: v1(61.41,18.28) 64.21,18.28 ; 50.2,19.82 v1(56.3,19.82)
/IN_F3: length 32.7
  Bottom w0.254: KF4.4 98.24,9.89 95.25,12.88 69.28,19.84
/IN_F4: length 52.5
  Bottom w0.254: KF5.4 130.96,9.77 129.97,8.78 127.43,8.78 126.3,9.91 105.16,9.91
/IN_F5: length 36.9
  Bottom w0.254: 197.52,18.31 182.87,18.31 ; 182.86,18.31 161.33,12.54
/IN_F6: length 14.6
  Top w0.254: 208.69,19.85 210.21,18.33 v1(213.78,18.33)
  Bottom w0.254: v1(213.78,18.33) 216.5,18.33 ; 202.55,19.88 v1(208.66,19.88)
/IN_F7: length 14.6
  Top w0.254: v1(232.91,18.29) 229.34,18.29 227.81,19.81
  Bottom w0.254: v1(232.91,18.29) 235.63,18.29 ; 221.68,19.84 v1(227.79,19.84)
/IN_F8: length 21.1
  Top w0.254: v1(255.59,13.28) v1(249.05,19.82)
  Bottom w0.254: 241,19.82 v1(249.05,19.82) ; v1(255.59,13.28) 259.4,13.28
/IN_F9: length 14.6
  Top w0.254: v1(270.6,14.77) 272.13,13.24 v1(274.55,13.24)
  Bottom w0.254: v1(274.55,13.24) 278.42,13.24 ; KF9.6 v1(270.6,14.77)
/IN_F10: length 20.7
  Bottom w0.254: KF12.4 278.44,23.59 280.4,21.63 282.18,21.63 283.55,20.26 283.55,14.79
/IN_F11: length 60.2
  Bottom w0.254: KF13.4 310.88,56.42 307.71,53.26 298.4,53.26 294.71,49.57 294.71,38.11 293.62,37.02 293.62,29.3 302.59,20.33 KF11.6
/IN_F12: length 33.2
  Top w0.254: v1(285.5,33.82) v1(289.27,33.82) ; v1(292.41,19.88) 292.41,23.45 293.15,24.19 v1(293.15,26.91)
  Bottom w0.254: 297.5,13.29 294.33,13.29 292.41,15.21 v1(292.41,19.88) ; v1(289.27,33.82) 291.06,33.82 292.41,32.47 292.41,27.65 v1(293.15,26.91) ; KF12.6 v1(285.5,33.82)
/IN_F13: length 19.7
  Bottom w0.254: 318.26,57.91 318.26,63.6 313.16,68.7 313.16,75.46
/KC13_out: length 14.1
  Bottom w0.254: DC13.2 279.74,77.02 279.54,76.82 ; KCb13.2 277.16,84.34 279.55,81.95 279.55,76.77
/KD12_out: length 28.7
  Bottom w0.254: 268.48,65 269.42,65 271.61,62.81 271.61,55.11 269.75,53.25 ; 268.48,65 270.02,66.54 270.02,67.29 ; 268.48,65 263.46,65 261.14,67.32 258.07,67.32
/KE0_out: length 35.2
  Top w0.254: DE0.2 3.86,48.02 8.16,52.32 v1(10.87,52.32)
  Bottom w0.254: 16.24,50.59 12.6,50.59 v1(10.87,52.32) ; 16.24,50.59 25.98,50.59 27.13,49.44 KEb0.2 ; 16.24,50.59 17.61,49.22 KE0.2
/SW99B: length 2.8
  Top w0.254: SWA13.S1 309.76,127.9
BOOTSEL: length 44.7
  Top w0.254: 300.29,137.81 300.32,137.84 299.65,138.51 RSW1.1 ; 298.51,96.24 300.31,98.04 300.31,137.81
col00: length 450.6
  Top w0.254: U0.7 300.36,92.64 294.81,98.19 294.81,106.14 293.8,107.15 293.8,111 288.72,116.08 3.15,116.08 v1(2.52,116.7)
  Bottom w0.254: 2.52,71.91 9.67,64.76 KD0.1 ; 2.52,71.91 2.52,88.58 ; 2.52,71.91 2.52,46.62 ; 2.52,88.58 7.29,83.81 ; 2.52,88.58 2.52,102.86 2.52,102.86 v1(2.52,116.7) KA0.1 ; 4.88,45.85 7.03,48 10.34,48 12.63,45.7 KEb0.1 ; KF0.1 2.52,29.04 2.52,29.05 2.52,46.62 ; 2.52,46.62 3.44,45.7 KE0.1
col01: length 424.8
  Top w0.254: v1(21.71,47.06) 21.71,49.31 23.03,50.63 v1(28.48,50.63) ; U0.9 304.77,87.56 294.36,97.97 294.36,97.98 294.36,105.95 293.35,106.96 293.35,110.81 288.53,115.63 31.45,115.63 v1(31.17,115.35) ; v1(27.34,39.19) v1(27.34,36.63)
  Bottom w0.254: 23.06,45.7 v1(21.71,47.06) ; 23.06,45.7 KE1.1 ; 23.06,45.7 24.8,43.97 24.8,41.73 v1(27.34,39.19) ; 21.58,102.84 21.58,104.71 31.17,114.3 v1(31.17,115.35) KA1.1 ; 31.1,83.71 31.1,88.12 28.56,90.66 23.64,90.66 21.61,92.69 21.61,102.75 ; KD1.1 35.86,66.34 31.14,71.06 31.14,83.71 ; v1(27.34,36.63) 27.34,35.41 21.59,29.66 21.59,26.7 ; 35.92,64.69 35.92,53.79 34.39,52.26 31.68,52.26 30.05,50.63 v1(28.48,50.63)
col02: length 397.7
  Top w0.254: v1(50.22,114.89) 50.5,115.17 288.35,115.17 292.89,110.62 292.89,106.77 293.9,105.76 293.9,105.44 293.9,105.44 293.9,96.02 293.9,96.02 U0.10
  Bottom w0.254: 40.65,102.81 40.65,104.73 50.22,114.3 v1(50.22,114.89) 50.22,126.95 ; 54.97,64.69 54.97,51.68 53.68,50.39 47.48,50.39 45.39,48.3 KE2.1 45.39,33.5 40.63,28.74 KF2.1 ; 50.19,83.71 50.19,71.06 54.91,66.34 KD2.1 ; 40.68,102.61 40.68,92.55 42.71,90.52 47.63,90.52 50.17,87.98 50.17,83.57
col03: length 380.4
  Top w0.254: U0.11 293.44,93.93 293.45,93.94 293.45,105.11 293.45,105.11 293.45,105.58 292.44,106.59 292.44,110.44 288.16,114.71 72.97,114.71 72.96,114.72 69.55,114.72 v1(69.28,114.44)
  Bottom w0.254: KA3.1 69.28,114.3 59.66,104.69 59.66,102.86 ; KD3.1 73.96,66.34 69.24,71.06 69.24,83.71 ; 74.02,64.69 74.02,52.04 72.36,50.38 66.52,50.38 64.44,48.3 KE3.1 64.44,34.05 59.68,29.29 KF3.1 ; 69.21,83.64 69.21,88.06 66.67,90.6 61.75,90.6 59.72,92.63 59.72,102.68
col04: length 378.4
  Top w0.254: U0.12 292.99,91.85 292.99,105.39 291.98,106.4 291.98,110.25 287.98,114.26 88.28,114.26 88,113.98 v1(88,113.98)
  Bottom w0.254: 88.29,83.71 88.29,71.06 93.01,66.34 KD4.1 ; 78.73,102.86 78.73,104.71 88.32,114.3 88.32,126.95 ; 88.21,83.81 88.21,88.23 85.67,90.77 80.75,90.77 78.72,92.8 78.72,102.85 ; KF4.1 92.19,19.08 83.49,27.78 KE4.1 83.49,48.44 85.43,50.38 91.41,50.38 93.07,52.04 93.07,64.69
col05: length 395.5
  Top w0.254: v1(111.69,113.53) 111.97,113.8 287.79,113.8 291.53,110.06 291.53,106.21 292.54,105.2 292.54,91.66 297.82,86.38 297.82,81.94 U0.14
  Bottom w0.254: 112.1,64.73 112.1,52.08 110.41,50.39 104.5,50.39 102.54,48.43 KE5.1 ; 97.81,102.88 97.81,105.8 101.89,109.88 108.04,109.88 v1(111.69,113.53) 112.44,114.27 112.44,126.92 ; 102.54,45.7 102.54,37.97 109.05,31.46 138.89,31.46 150.3,20.05 KF5.1 ; 97.8,102.96 97.8,92.91 99.83,90.88 104.75,90.88 107.29,88.34 107.29,83.92 ; KD5.1 112.06,66.38 107.35,71.09 107.35,83.74
col06: length 391.3
  Top w0.254: U0.15 297.37,79.85 297.37,86.19 292.08,91.47 292.08,105.01 291.08,106.01 291.08,109.84 287.58,113.34 130.56,113.34 v1(130.29,113.07)
  Bottom w0.254: KF6.1 188.36,31.32 146.55,31.32 138.89,38.98 138.89,46.55 135.06,50.38 129.44,50.38 ; 129.44,50.38 131.15,52.08 131.15,64.73 ; 129.44,50.38 123.55,50.38 121.59,48.42 KE6.1 ; 126.33,83.99 126.33,88.41 123.79,90.95 118.87,90.95 116.84,92.98 116.84,103.03 ; 131.49,126.92 131.49,114.27 v1(130.29,113.07) 127.07,109.85 127.07,109.83 121.09,109.83 116.83,105.57 116.83,102.86 ; KD6.1 131.11,66.38 128.75,68.75 127.81,68.75 125.9,70.66 125.9,72.83 126.4,73.33 126.4,83.74
